# Allegro board rt1064_brkout_new_mem_layout.brd (continued)
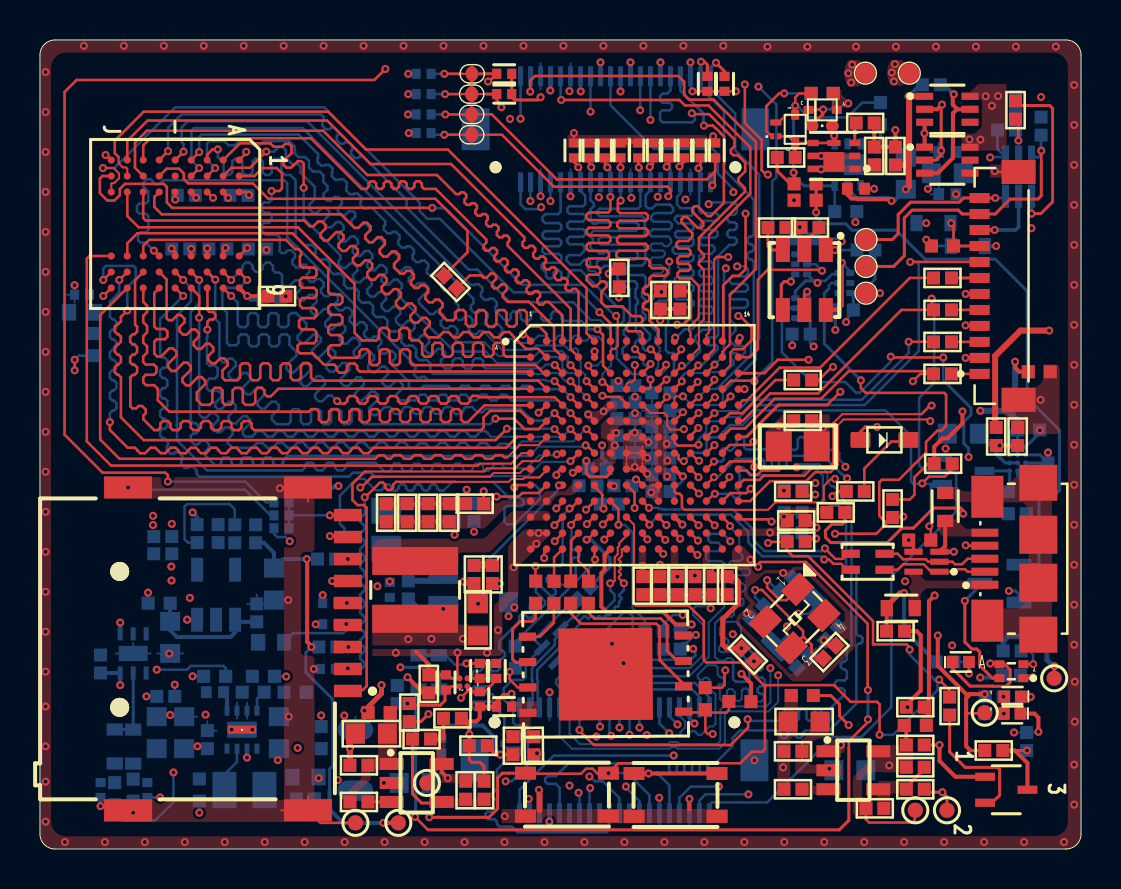
[diagram p0: board, top side]
## Routing (per net, layer and track width the routed paths; a pad name or vN(x,y) marks a point on that pad's centre or on a via; arc(x,y) is an arc through that point) (continued)
USB_OTG1_DP: length 12.2
  TOP w0.119: L6.3 40.46,14.66 40.33,14.66 40.18,14.51 39.8,14.51 v1(39.28,15.04) ; v1(30.48,17.07) 30.48,17.08 U7.L8
  BOTTOM w0.119: v1(30.48,17.07) 30.92,17.07 30.97,17.02 ; 31.11,17.02 31.14,16.99 31.24,16.99 31.26,16.98 31.74,16.98 31.75,16.99 31.77,16.99
  BOTTOM w0.131: v1(39.28,15.04) 39.25,15.04 39.12,14.9 36.25,14.9 35.72,15.43 35.72,15.53 35.7,15.55 35.7,15.98 34.69,16.99 31.77,16.99 ; 31.11,17.02 30.97,17.02
USB_OTG2_DN: length 11.7
  TOP w0.102: U7.N7 29.35,15.67 28.99,15.3 28.99,15.17 28.91,15.09 28.91,14.75 28.76,14.6 28.76,13.42 28.63,13.29 v1(28.53,13.29)
  BOTTOM w0.127: v1(28.53,13.29) 28.53,12.95 28.75,12.73 28.75,12.44 28.2,11.89 27.12,11.89 26.79,11.56 26.61,11.56 U20.1 26.05,10.77 25.77,10.49 25.77,10.21 24.62,9.06 24.62,8.51 24.62,8.47 24.65,8.37 24.65,7.25 24.5,7.09 J6.3
USB_OTG2_DP: length 11.7
  TOP w0.102: U7.P7 29.12,15.01 29.12,14.66 28.96,14.51 28.96,14.46 29.06,14.36 29.06,14.31 28.96,14.21 28.96,14.16 29.06,14.06 29.06,14.01 28.96,13.91 28.96,13.86 29.06,13.76 29.06,13.71 28.96,13.61 28.96,13.55 v1(29.22,13.29)
  BOTTOM w0.127: J6.5 25,7.09 24.91,7.18 24.91,8.41 24.88,8.51 24.88,8.96 26.02,10.1 26.02,10.39 26.27,10.64 26.4,10.64 26.97,11.21 26.97,11.38 27.22,11.64 27.31,11.64 27.41,11.54 27.46,11.54 27.56,11.64 27.7,11.64 27.8,11.54 27.85,11.54 27.95,11.64 28,11.64 28.1,11.54 28.15,11.54 28.25,11.64 28.3,11.64 28.37,11.7 28.51,11.7 28.54,11.74 28.54,11.88 28.58,11.91 28.72,11.91 28.76,11.95 28.76,12.09 28.79,12.13 28.93,12.13 28.97,12.16 28.97,12.3 29,12.34 29,12.4 29.1,12.5 29.1,12.55 29,12.65 29,12.73 29.22,12.95 v1(29.22,13.29)
USER_BUTTON: length 7.4
  TOP w0.127: v1(28.95,16.22) 28.95,17.01 U7.L6
  BOTTOM w0.102: 29.65,12.06 29.65,14.03
  BOTTOM w0.11: 29.65,14.03 29.65,15.83 29.27,16.22 v1(28.95,16.22)
  BOTTOM w0.127: R42.2 30.26,11.45 29.65,12.06
USER_LED: length 51
  TOP w0.102: D5.C 49.56,7.62 49.57,7.61 v1(49.58,7.61)
  TOP w0.127: U7.L5 v1(27.32,16.98)
  SIG1 w0.127: v1(27.32,16.98) 26.99,16.64 26.34,16.64 26.33,16.65 25.68,16.65 25.35,16.98 24.67,16.98 22.62,14.93 22.62,11.45 22.27,11.1 22.27,10.27 21.98,9.98 21.98,6.41 22.27,6.12 22.27,4.62 22.83,4.06 23.79,4.06 23.96,3.89 23.96,3.55 23.98,3.53 23.98,3.21 23.96,3.19 23.96,1.11 24.09,0.98 39.88,0.98 46.08,7.19
  SIG1 w0.15: 46.08,7.19 49.42,7.19 49.57,7.34 49.57,7.6 v1(49.58,7.61)
VLDO_3V3: length 4.6
  TOP w0.127: TP31.1 43.78,1.92 43.78,1.45 43.65,1.33 41.49,1.33 41.33,1.49 C33.1
  TOP w0.2: R2.1 43.25,6.05 43.35,5.95 C37.1
  vias: v1(42.5,4.18)
VSD_3V3: length 3.8
  TOP w0.127: C32.1 20.43,7.96 20.61,8.14 U5.A2
  TOP w0.15: C121.1 18.56,7.19 20.03,7.19 20.27,7.43 20.27,7.91
  TOP w0.2: 20.24,7.89 C32.1
  BOTTOM w0.15: FB3.1 v1(18.39,7.28)
WDOG_B: length 81.9
  TOP w0.127: U7.D14 v1(35.26,23.01) ; v1(36.43,33.74) 36.33,33.74 36.11,33.96 36.11,35.48 35.27,36.32 v1(35.27,38.25)
  SIG1 w0.127: v1(6.01,2.58) 6.01,2.57 5.48,2.57 3.04,5.01 3.04,11.82 7.46,16.24 8.77,16.24 13.37,20.84 20.99,20.84 21.6,21.46 21.6,38.78 21.76,38.94 34.58,38.94 v1(35.27,38.25) ; v1(35.26,23.01) 35.26,23.47 36.46,24.67 36.46,33.7 v1(36.43,33.74)
  BOTTOM w0.15: C20.1 v1(6.01,2.58)
N2518472: length 4.4
  TOP w0.127: R51.1 36.8,23.46 35.14,21.8 34.53,21.8 34.3,21.58 34.29,21.58 34.15,21.44 U7.F13
N2544325: length 5.4
  TOP w0.127: J2.2 46.42,13.87 46.3,14 45.78,14 45.66,13.87 U19.1 44.59,13.87 44.22,14.24 43.19,14.24 42.92,13.97 L6.1
N2544379: length 5.3
  TOP w0.127: L6.4 42.92,14.77 43.19,14.5 44.33,14.5 44.45,14.37 U19.2 45.66,14.37 45.78,14.25 46.14,14.25 46.42,14.52 J2.3
N2544429: length 4.6
  TOP w0.127: v1(46.32,15.19) 46.35,15.17 J2.4 ; v1(43.47,15.45) 43.47,15.33 43.71,15.09
  TOP w0.15: U19.4 43.71,15.09
  SIG1 w0.15: v1(46.32,15.19) 46.06,15.45 v1(43.47,15.45)
N2544493: length 4.5
  TOP w0.2: v1(48.02,20.19) C100.1
  BOTTOM w0.15: 47.9,19.72 U11.C1 ; 48.07,19.55 48.3,19.32 U11.B1 U11.B2
  BOTTOM w0.2: C99.1 47.6,20.19 v1(48.02,20.19) 47.87,20.03 47.87,19.75 48.07,19.55
N2544755: length 1.2
  BOTTOM w0.127: R83.2 49.36,18.27
  BOTTOM w0.15: U11.A2 48.93,18.7 49.36,18.27
N2544847: length 1.3
  BOTTOM w0.15: R86.1 49.83,18.42 U11.A3
N2544899: length 2.3
  BOTTOM w0.15: Q5.3 U11.A1 48.52,17.95 R85.2
N2574261: length 3.9
  TOP w0.127: D11.2 43.37,20.39 42.61,20.39 41.25,19.03 R41.1
N2574737: length 3.4
  TOP w0.15: 48.79,4.93 v1(49.39,4.93)
  TOP w0.2: U8.3 49.42,4.3 48.79,4.93 R45.2
N2574749: length 6.9
  TOP w0.15: U8.2 47.65,2.31 48.02,2.69 48.02,3.98 47.92,4.08 46.3,4.08 45.52,4.86 R44.1
N2575113: length 11.1
  TOP w0.127: R46.1 38.91,9.54 38.61,9.83 38.61,10.22 38.19,10.64 ; v1(35.79,12.96) 36.13,12.96 38.19,10.9 38.19,10.64 ; v1(32.9,14.71) 32.88,14.71 32.8,14.8 32.78,14.8 32.57,15.01 U7.P11 ; 38.19,10.64 X1.3
  SIG1 w0.127: v1(35.79,12.96) 35.35,12.96 33.6,14.72 33.19,14.72 33.19,14.71 v1(32.9,14.71)
  BOTTOM w0.127: v1(35.79,12.96) 35.79,12.59 C70.1
N2575185: length 8.1
  TOP w0.127: U7.N11 v1(32.93,15.43) ; X1.1 37.91,12.99 37.37,12.45 37.02,12.45 36.39,13.09 v1(36.39,13.45)
  SIG1 w0.127: v1(36.39,13.45) 35.82,13.45 34.25,15.03 33.35,15.03 33.22,15.15 33.2,15.15 v1(32.93,15.43)
  BOTTOM w0.127: v1(36.39,13.45) 36.93,12.91 C71.1
N2575229: length 11.5
  TOP w0.127: U7.N9 v1(31.29,15.47)
  SIG1 w0.127: v1(31.29,15.47) 31.57,15.19 31.59,15.19 32.63,14.14 33.02,14.14 34.61,12.56 37.12,12.56 37.9,11.78 v1(37.95,11.78)
  BOTTOM w0.127: v1(37.95,11.78) 37.97,11.76 38.46,11.76 X2.1 39.95,11.33 C72.1
N2575237: length 5.7
  TOP w0.09: v1(25.97,18.19) 25.99,18.21 U7.K3
  BOTTOM w0.127: v1(22.18,14.21) 25.9,17.94 25.9,18.12 v1(25.97,18.19)
N2575341: length 11
  TOP w0.127: U7.P9 v1(31.19,14.77)
  SIG1 w0.127: v1(31.19,14.77) 31.31,14.77 32.34,13.74 32.34,13.41 32.58,13.17 33.45,13.17 34.33,12.28 36.19,12.28 37.33,11.14 v1(37.38,11.14)
  BOTTOM w0.127: v1(37.38,11.14) 37.39,11.13 37.39,10.69 X2.2 37.88,9.09 C73.1
N2593436: length 0.2
  TOP w0.15: 24.42,6.81 24.19,6.81
N2594008: length 4.4
  TOP w0.127: U14.1 32.26,6.83 33.16,6.83 R101.2 ; v1(33.67,5.75) 33.42,5.75 33.3,5.88 R101.2 ; R101.2 33.44,6.82 34.35,6.82 34.47,6.95 R97.2
N2594176: length 2.6
  TOP w0.127: R100.1 25.72,11.32
  TOP w0.147: U14.5 25,10.63 25.03,10.66 25.04,10.66 25.72,11.32
N2594270: length 8.7
  TOP w0.127: 31.01,11.11 30.84,11.27 27.07,11.27 26.55,11.8 R102.1
  TOP w0.147: U14.2 32.21,8.25 31.01,9.45 31.01,11.11
N2594358: length 7
  TOP w0.127: R103.1 27.44,11.83 27.73,11.53 31.06,11.53 31.38,11.21
  TOP w0.147: U14.3 31.88,9.41 31.38,9.92 31.38,11.21
N2594498: length 1.9
  TOP w0.127: U14.7 23.91,8.08 23.5,8.48 v1(23.5,8.86)
  BOTTOM w0.127: R104.1 23.79,8.94 23.69,8.83 23.53,8.83 v1(23.5,8.86)
N2594540: length 4.4
  TOP w0.127: R105.2 24.8,11.55 24.79,11.55
  TOP w0.147: U14.6 23.8,9.35 23.65,9.49 23.65,11.01 24.03,11.39 24.64,11.39 24.79,11.55
N2840328: length 1.2
  TOP w0.127: v1(49.69,8.59) 49.64,8.54 D2.1
  BOTTOM w0.127: R3.2 49.58,8.69 v1(49.69,8.59)
N2840332: length 1.6
  TOP w0.127: v1(49.7,9.25) 49.22,9.25 D2.3
  BOTTOM w0.127: R4.2 49.5,9.91 49.7,9.71 v1(49.7,9.25)
N2840672: length 4.2
  TOP w0.127: Q3.1 36.6,35.66 36.35,35.91 36.35,37.16 36.99,37.8 v1(37.24,37.8)
  BOTTOM w0.127: R6.2 v1(37.24,37.8)
N2840714: length 1.1
  BOTTOM w0.15: R10.2 C8.2
N2840896: length 29.9
  TOP w0.15: v1(38.84,31.85) R13.1 R12.2
  BOTTOM w0.15: Q4.1 50,14.23 50,17.49 50.24,17.73 50.81,17.73 51.02,17.94 51.02,20.95 49.4,22.56 49.4,27.91 47.8,29.51 44.29,29.51 42.84,30.96 40.64,30.96 40.32,31.28 39.19,31.28 38.84,31.62 v1(38.84,31.85)
N2841110:
  vias: v1(48.21,7.62)
N2841268: length 4.2
  SIG1 w0.127: v1(7.64,8.64) 7.64,5.39 v1(7.88,5.14)
  BOTTOM w0.127: R18.1 v1(7.64,8.64)
N2841304: length 2.3
  BOTTOM w0.127: U1.7 9.86,4.35 9.23,3.72 L1.1
N2841570: length 9.4
  SIG1 w0.127: v1(4.01,11.33) 4.05,11.29 4.62,11.29 4.88,11.02 4.88,9.3 5.21,8.97 v1(5.84,8.97)
  BOTTOM w0.127: R18.2 9.29,9.05 9.18,9.16 7.55,9.16 7.37,8.97 v1(5.84,8.97)
  BOTTOM w0.2: C16.1 9.36,7.67 U1.1 ; U2.1 v1(4.01,11.33)
N2841578: length 1.1
  BOTTOM w0.127: R22.1 11.19,7.85 10.86,7.51 U1.4
N2842438: length 1.2
  TOP w0.127: 16.41,2.36 U3.3
N2842520: length 4.4
  TOP w0.15: U3.4 20.05,2.3 19.1,2.3 18.64,2.75 C21.2
N2842740: length 6.6
  BOTTOM w0.2: 6.52,12.3 C27.1 6.52,10.94 6.84,10.61 9.55,10.61 9.76,10.83 U4.1 9.87,11.36 C28.1
N2842860: length 5.8
  BOTTOM w0.127: C26.2 9.75,17 9.49,17.26 7.36,17.26 7.23,17.13 7.23,15.5 7.4,15.33 R33.1
N2843292: length 3.4
  SIG1 w0.127: v1(40.07,5.21) 40.07,5.14 39.01,4.08 v1(37.19,4.08)
N2843470: length 1.5
  TOP w0.147: R38.2 44.25,4 43.35,3.1 R39.1
N2892984: length 0.6
  TOP w0.127: U5.B1 R35.2
N2893068: length 4.1
  TOP w0.127: R34.2 R35.1 v1(21.34,9.29)
  BOTTOM w0.127: D10.A 20.3,9.69 20.77,9.22 21.27,9.22 v1(21.34,9.29)
  BOTTOM w0.2: D10.A D9.A
N2897276: length 6.6
  TOP w0.2: 45.91,37.01 45.68,37.24 45.68,37.71 v1(45.72,37.76) ; 45.91,37.01 U17.5 ; 45.91,37.01 45.89,37.01 45.69,36.81 45.69,34.57 44.92,33.81 U18.3
  BOTTOM w0.2: R114.2 45.25,38.23 v1(45.72,37.76)
N2913252: length 1.9
  TOP w0.102: JMP1.2 20.9,35.73
  TOP w0.131: 20.9,35.73 v1(20.23,35.73)
  BOTTOM w0.127: v1(20.23,35.73) 19.65,35.73 R56.2
N2913256: length 1.9
  TOP w0.131: v1(20.28,36.75) JMP1.4
  BOTTOM w0.127: R57.2 v1(20.28,36.75)
N2913260: length 1.9
  TOP w0.102: JMP1.6 21.07,37.77
  TOP w0.131: 21.07,37.77 v1(20.27,37.77)
  BOTTOM w0.127: R58.2 v1(20.27,37.77)
N2913264: length 1.9
  TOP w0.102: JMP1.8 21.09,38.78
  TOP w0.131: 21.09,38.78 v1(20.23,38.78)
  BOTTOM w0.127: R59.2 v1(20.23,38.78)
N3026246: length 4.2
  TOP w0.127: J1.9 14.58,16.71 14.57,16.69 v1(14.51,16.69)
  BOTTOM w0.127: R78.1 R80.1 ; R80.1 R77.2 ; R80.1 v1(14.51,16.69)
N3028636: length 10.1
  TOP w0.2: C97.1 19.18,7.81 v1(18.39,8.59) ; J1.4 15.36,11.26 v1(15.33,11.26)
  POWER w0.2: 15.33,11.04 v1(15.33,11.26)
  POWER w0.25: 15.33,11.04 17.73,8.64 18.35,8.64 v1(18.39,8.59)
  BOTTOM w0.127: C95.1 12.67,10.8 15.17,10.8 15.33,10.96 v1(15.33,11.26)
  BOTTOM w0.15: FB3.2 17.91,8.18 18.33,8.59 v1(18.39,8.59)
N3028892: length 0.5
  BOTTOM w0.15: R79.2 v1(15.36,12.31)
N3035991: length 6.1
  TOP w0.15: v1(46.28,12.41) 46.28,10.36 46.63,10.01 46.88,10.01 47.03,9.86 47.03,9.18 47.67,8.54 D2.2
  BOTTOM w0.16: v1(46.28,12.41) 47.03,13.16 Q4.3
N3059217: length 2.3
  TOP w0.15: D15.6 37.09,27.04 37.09,28.24 37.24,28.39 v1(37.58,28.39)
  BOTTOM w0.15: v1(37.58,28.39) 37.58,28.53 U23.4
N3059221: length 1.3
  TOP w0.15: D15.4 38.25,27.74 v1(38.39,27.88)
  BOTTOM w0.127: U22.4 v1(38.39,27.88)
N3059225: length 3.7
  TOP w0.15: 39.33,26.97 D15.2
  TOP w0.2: v1(40.12,29.33) 40.12,27.19 39.91,26.97 39.33,26.97
  BOTTOM w0.127: v1(40.12,29.33) 40.55,28.9 U21.4
N3059229: length 1.6
  TOP w0.127: v1(39.78,29.96) D15.1
  BOTTOM w0.127: R116.2 v1(39.78,29.96)
N3059233: length 1.4
  TOP w0.15: D15.3 38.25,30.32 38.98,31.05 R117.1
N3059237: length 1.7
  TOP w0.15: R118.1 36.43,30.18 36.65,29.96 D15.5
N28147150: length 1.8
  TOP w0.2: v1(44.35,30.48) 44.61,30.22 R106.1
  BOTTOM w0.131: v1(44.35,30.48) 44.67,30.17 D12.C
N28398882: length 1.1
  TOP w0.15: 40.66,35.32 Q1.3 40.77,36.25 R8.1
N28418741:
  vias: v1(48.24,6.77)
N30039441: length 1.8
  TOP w0.131: D14.A v1(46.49,8.78)
  BOTTOM w0.131: R115.2 46.3,9.36 46.49,9.17 v1(46.49,8.78)

## Copper pours and planes (outline as drawn; the poured copper is in the pictures)
3V3_REG on BOTTOM: 9.53,15.65 10.13,15.65 10.13,15.64 11.41,15.64 11.41,15 10.33,15 10.19,14.94 10.13,14.8 10.13,13.86 10.12,13.86 10.12,13.15 10.06,13 9.92,12.95 6.9,12.95 6.46,12.94 6.32,13 6.26,13.14 6.26,14.38 6.28,14.38 6.28,14.58 6.27,14.58 6.27,15.11 6.93,15.11 6.93,14.58 6.9,14.58 6.9,14.38 6.9,13.47 6.96,13.32 7.1,13.27 9.33,13.27 9.47,13.32 9.53,13.47 9.53,14.07 9.53,14.07 9.53,14.8 9.47,14.94 9.33,15 8.88,15 8.88,15.64 9.53,15.64
5V_EXT on BOTTOM: 40.9,35.57 41.23,35.57 41.23,34.45 42.31,34.45 42.31,34.01 41.23,34.01 41.23,32.93 40.9,32.93 40.9,33.94 40.84,34.01 40.6,34.01 40.58,34 40.58,32.91 40.26,32.91 40.26,35.55 40.58,35.55 40.58,34.48 40.61,34.45 40.82,34.45 40.9,34.53
5V_SYS on BOTTOM: 46.33,35.74 46.4,35.78 46.47,35.8 47.15,35.8 47.29,35.74 47.35,35.6 47.35,35.44 47.33,35.36 47.29,35.3 46.73,34.74 46.7,34.72 46.67,34.7 46.67,33.31 46.35,33.31 46.17,33.13 46.12,33.06 46.11,32.98 46.11,32.48 46.1,32.47 45.56,32.47 45.56,33.06 45.58,33.14 45.62,33.2 45.68,33.26 45.72,33.32 45.73,33.4 45.73,34.22 45.72,34.3 45.68,34.36 45.62,34.42 45.58,34.48 45.57,34.55 45.57,34.68 45.57,34.69 45.57,35.17 45.76,35.17
5V_SYS on BOTTOM: 14.7,3.51 14.74,3.62 14.85,3.66 16.46,3.66 16.57,3.62 16.61,3.51 16.61,2.86 16.57,2.75 16.46,2.71 15.44,2.71 15.3,2.74 15.19,2.82 14.81,3.19 14.73,3.31 14.7,3.45
GND_SIGNAL on TOP: 44.9,16.5 45.74,16.5 45.83,16.49 45.91,16.43 46.25,16.09 46.33,16.04 46.42,16.02 47.84,16.02 47.92,15.94 47.92,15.61 47.87,15.61 47.84,15.64 45.28,15.64 45.18,15.66 45.1,15.71 44.97,15.85 44.91,15.93 44.9,16.02
GND_SIGNAL on TOP: 12.21,18.61 13.74,18.61 13.74,18.6 14.58,18.6 14.58,17.53 13.74,17.53 13.74,15.06 13.68,14.92 13.54,14.86 13.27,14.86 13.13,14.8 13.07,14.66 13.07,9.87 13.13,9.73 13.27,9.67 13.54,9.67 13.68,9.61 13.74,9.47 13.74,2.52 14.63,2.52 14.63,1.35 3.2,1.35 3.2,2.46 12.21,2.46 12.21,17.53 3.2,17.53 3.2,18.6 12.21,18.6
GND_SIGNAL on TOP: 21.4,13.61 22.05,13.61 22.05,12.78 22.41,12.78 22.41,11.79 21.45,11.79 21.4,11.8
GND_SIGNAL on TOP: 38.29,21.75 39.52,21.75 39.53,21.74 39.53,19.89 39.52,19.88 38.33,19.88 38.29,19.92
GND_SIGNAL on TOP: 37.95,16.37 37.98,16.44 38.05,16.47 38.89,16.47 38.96,16.44 38.99,16.37 38.99,16.21 38.96,16.14 38.89,16.11 38.05,16.11 37.98,16.14 37.95,16.21
GND_SIGNAL on TOP: 0.03,39.72 0.24,40.23 0.75,40.44 51.35,40.44 51.86,40.23 52.07,39.72 52.07,0.75 51.86,0.24 51.35,0.03 0.75,0.03 0.24,0.24 0.03,0.75 ; 1 cut-out
GND_SIGNAL on TOP: 26.66,35.82 26.72,35.88 26.78,35.82 26.78,35.72 32.7,35.72 32.71,35.72 33.31,35.72 33.48,35.56 34.03,35.56 34.03,35.11 33.31,35.11 33.31,35.09 26.39,35.09 26.39,35.72 26.66,35.72
GND_SIGNAL on TOP: 24.89,2.05 24.94,2.08 25,2.1 25.08,2.07 25.14,2 32.39,2 32.43,2.05 32.49,2.07 32.53,2.07 32.56,2.04 32.6,2 34.42,2 34.42,1.3 23.11,1.3 23.11,2 24.84,2
GND_SIGNAL on TOP: 35.02,15.17 35.14,15.15 35.24,15.09 35.58,14.74 35.64,14.65 35.67,14.53 35.67,14.27 35.63,14.19 35.62,14.1 35.71,13.88 35.93,13.79 36.09,13.84 36.21,13.96 37.54,13.96 37.65,14.07 37.7,14.11 37.76,14.12 38.25,14.12 38.3,14.11 38.34,14.09 38.35,14.08 38.83,13.61 38.82,13.6 40.76,11.66 40.83,11.57 40.85,11.45 40.85,10.3 40.83,10.19 40.76,10.09 40.73,10.06 40.7,10 40.65,9.94 40.42,9.72 39.66,8.95 39.66,8.95 39.28,8.58 39.27,8.57 39.18,8.47 39.08,8.41 38.97,8.39 37.77,8.39 37.66,8.41 37.56,8.47 37.51,8.52 37.5,8.54 37.09,8.95 34.92,11.12 34.86,11.2 34.84,11.29 34.84,11.49 34.86,11.58 34.92,11.66 35.48,12.23 35.49,12.23 35.52,12.3 35.49,12.38 35.46,12.39 35.3,12.56 35.28,12.59 35.23,12.7 35.22,12.79 35.22,12.89 35.23,12.95 35.27,13.01 35.27,13.52 35.25,13.64 35.18,13.73 34.71,14.2 34.65,14.3 34.63,14.41 34.63,14.82 34.65,14.94 34.71,15.04 34.85,15.17 ; 2 cut-outs
GND_SIGNAL on TOP: 50.22,24.24 50.83,24.24 50.97,24.18 51.03,24.04 51.03,20.96 50.97,20.82 50.83,20.76 48.62,20.76 48.62,21.16 48.58,21.34 48.48,21.5 48.25,21.72 48.15,21.88 48.11,22.07 48.11,23.09 49.68,23.09 49.86,23.13 50.02,23.23 50.06,23.28 50.17,23.43 50.2,23.62 50.2,24.22
GND_SIGNAL on TOP: 29.83,13.06 34.7,13.06 34.7,12.41 29.83,12.41
GND_SIGNAL on TOP: 47.53,34.24 47.53,33.58 49.82,33.58 49.82,34.24
GND_SIGNAL on TOP: 17.01,16.96 17.01,17.62 21.63,17.62 21.63,16.96
GND_SIGNAL on TOP: 24.51,16.01 25.38,16.01 25.49,15.97 25.53,15.86 25.51,15.71 25.46,15.65 25.44,15.63 24.82,15.01 24.81,15 24,14.2 23.96,14.13 23.94,14.05 23.94,12.76 23.93,12.68 23.88,12.62 23.2,11.93 23.16,11.87 23.14,11.79 23.14,9.85 23.08,9.71 22.94,9.65 16.64,9.65 16.64,10 22.72,10 22.72,12.13 22.73,12.18 22.76,12.23 23.36,12.83 23.4,12.9 23.42,12.97 23.42,14.98 23.46,15.16 23.56,15.32 24.12,15.88 24.26,15.97 24.44,16.01
GND_SIGNAL on TOP: 38.59,6.64 38.65,6.78 38.79,6.84 39.32,6.84 39.47,6.78 39.52,6.64 39.52,6.07 39.49,5.9 39.39,5.75 39.24,5.6 39.16,5.55 39.07,5.53 39.06,5.53 38.87,5.49 38.71,5.39 38.6,5.28 38.5,5.12 38.46,4.94 38.46,4.41 38.52,4.27 38.66,4.21 40.06,4.21 40.06,3.78 37.81,3.78 37.81,3.81 37.8,3.81 37.8,5.1 37.8,5.1 37.8,5.22 37.89,5.22 38.45,5.78 38.56,5.93 38.59,6.12
GND_SIGNAL on BOTTOM: 10.08,33.04 10.75,33.04 10.75,30.79 9.68,30.79 9.68,29.71 9.02,29.71 9.02,30.79 7.83,30.79 7.83,29.71 7.18,29.71 7.18,31.29 7.83,31.29 7.83,31.29 10.08,31.29
GND_SIGNAL on BOTTOM: 28.02,19.35 28.66,19.35 28.66,18.5 29.05,18.5 29.05,17.84 29.03,17.84 29.28,17.6 29.28,16.93 29.27,16.92 28.62,16.92 28.63,16.93 28.63,17.56 28.35,17.84 27.55,17.84 27.55,18.5 28.02,18.5
GND_SIGNAL on BOTTOM: 20.56,9.91 20.59,9.99 20.66,10.01 22.61,10.01 22.68,9.99 22.7,9.91 22.7,9.76 22.68,9.69 22.61,9.66 20.66,9.66 20.59,9.69 20.56,9.76
GND_SIGNAL on BOTTOM: 42.83,35.31 42.89,35.45 43.03,35.51 44.84,35.51 44.91,35.49 44.98,35.45 45.21,35.22 45.24,35.17 45.25,35.11 45.25,34.55 45.24,34.47 45.19,34.4 45.12,34.33 45.07,34.26 45.06,34.19 45.06,33.4 45.07,33.33 45.12,33.26 45.17,33.21 45.22,33.14 45.23,33.07 45.23,32.48 45.21,32.46 44.7,32.46 44.21,32.95 44.17,33.02 44.15,33.09 44.15,34.03 44.14,34.11 44.1,34.17 44.01,34.25 43.95,34.3 43.87,34.31 42.83,34.31
GND_SIGNAL on BOTTOM: 37.81,17.18 38.46,17.18 38.46,16.26 39.03,16.26 39.1,16.23 39.13,16.16 39.13,16 39.1,15.93 39.03,15.9 38.46,15.9 38.46,15.51 37.81,15.51
GND_SIGNAL on BOTTOM: 14.97,6.76 15.01,6.87 15.12,6.91 15.72,6.91 15.82,6.87 15.87,6.76 15.87,4.96 15.82,4.85 15.72,4.81 15.12,4.81 15.01,4.85 14.97,4.96
GND_SIGNAL on BOTTOM: 1.1,28.26 1.14,28.36 1.25,28.41 1.82,28.41 1.93,28.36 1.97,28.26 1.97,26.59 1.93,26.49 1.82,26.44 1.25,26.44 1.14,26.49 1.1,26.59
GND_SIGNAL on BOTTOM: 26.31,3.27 26.33,3.34 26.4,3.37 26.61,3.37 26.68,3.34 26.71,3.27 26.71,3.08 26.7,3.04 26.68,3.01 26.64,2.97 26.62,2.93 26.61,2.9 26.61,1.29 26.67,1.22 26.75,1.17 26.84,1.15 27.62,1.15 27.71,1.17 27.79,1.22 27.87,1.31 27.87,2.02 27.88,2.02 28.12,2.02 28.12,1.27 27.92,1.07 27.85,1.02 27.75,1 26.73,1 26.64,1.02 26.56,1.07 26.37,1.26 26.37,2.88 26.37,2.92 26.34,2.95 26.33,2.96 26.31,3 26.31,3.03
GND_SIGNAL on BOTTOM: 9.25,15.92 9.25,16.52 7.54,16.52 7.54,15.92
GND_SIGNAL on BOTTOM: 24.52,16.02 25.39,16.02 25.5,15.97 25.54,15.87 25.54,15.79 25.52,15.71 25.47,15.66 25.45,15.64 24.82,15.02 24.82,15.01 24.09,14.28 23.99,14.13 23.95,13.94 23.95,13.18 23.92,13.11 23.85,13.08 23.62,13.08 23.48,13.13 23.42,13.28 23.42,14.76 23.43,14.76 23.43,14.98 23.46,15.17 23.57,15.33 24.12,15.88 24.27,15.98 24.45,16.01
GND_SIGNAL on BOTTOM: 4.54,11.1 4.8,11.1 4.8,10.03 10.33,10.03 10.55,10.26 10.55,10.77 11.27,10.77 11.27,9.59 11.26,9.59 11.26,9.58 4.8,9.58 4.8,9.42 4.54,9.42 4.54,9.58 2.7,9.58 2.7,10.03 4.54,10.03
GND_SIGNAL on BOTTOM: 19.42,14.55 20.94,14.55 20.94,14.09 21.02,13.88 21.24,13.79 21.85,13.79 21.99,13.73 22.05,13.59 22.05,13.47 21.99,13.33 21.85,13.27 19.42,13.27
GND_SIGNAL on BOTTOM: 30.84,2.57 30.88,2.68 30.99,2.72 31,2.72 31.11,2.68 31.15,2.57 31.15,1.38 31.21,1.24 31.35,1.18 32.12,1.18 32.27,1.24 32.32,1.38 32.32,2.42 32.37,2.53 32.47,2.57 32.55,2.57 32.66,2.53 32.7,2.42 32.7,1.1 32.64,0.96 32.5,0.9 29.56,0.9 29.42,0.96 29.36,1.1 29.36,2.08 29.39,2.15 29.46,2.18 29.53,2.18 29.6,2.15 29.63,2.08 29.63,1.38 29.69,1.24 29.83,1.18 30.64,1.18 30.78,1.24 30.84,1.38
GND_SIGNAL on BOTTOM: 26.66,9.92 26.72,9.85 26.73,9.86 26.75,9.86 26.8,9.85 26.82,9.8 26.81,9.78 26.81,9.77 26.9,9.68 26.79,9.57 26.79,9.57 25.67,8.45 25.67,7.18 25.67,5.62 25.68,5.58 25.7,5.54 26.12,5.13 26.15,5.06 26.12,4.99 26.02,4.89 25.95,4.86 25.88,4.89 25.37,5.39 25.35,5.43 25.34,5.46 25.34,8.56 25.35,8.6 25.37,8.63
GND_SIGNAL on BOTTOM: 30.14,23.51 30.14,23.24 30.2,23.1 30.34,23.04 30.75,23.04 30.89,22.98 30.95,22.84 30.95,17.59 30.53,17.59 30.53,18.74 30.45,18.92 30.28,18.99 29.94,18.99 29.76,19.06 29.69,19.24 29.69,20.98 29.69,20.98 29.46,21.21 29.45,21.21 29.45,23.51
GND_SIGNAL on BOTTOM: outline of 178 points within 21.09,32.27 32.83,39.61
GND_SIGNAL on BOTTOM: 48.47,6.02 48.52,6.12 48.62,6.17 50.18,6.17 50.28,6.12 50.32,6.02 50.32,5.64 50.28,5.54 50.18,5.49 48.62,5.49 48.52,5.54 48.47,5.64
GND_SIGNAL on BOTTOM: 50.07,37.82 50.21,37.76 50.27,37.62 50.27,36.53 49.96,36.53 49.96,37.3 49.9,37.44 49.76,37.5 48.65,37.5 48.65,37.82
GND_SIGNAL on BOTTOM: 9.87,8.07 10.36,8.07 10.36,7.66 10.39,7.63 10.45,7.63 10.45,7.24 10.44,7.24 10.45,7.17 10.45,6.97 10.46,6.95 10.46,6.92 10.46,6.26 10.45,6.25 10.45,6.16 10.76,6.16 10.76,5.58 9.63,5.58 9.63,5.59 8.55,5.59 8.55,5.55 8.01,5.55 8.01,6.17 7.2,6.17 5.34,6.17 5.34,7.12 7.56,7.12 7.56,7.12 8.01,7.12 8.01,7.96 8.23,7.96 8.26,7.97 8.3,7.96 8.55,7.96 8.55,6.16 9.63,6.16 9.63,6.16 9.69,6.16 9.69,6.62 9.66,6.62 9.66,7.63 9.8,7.63 9.8,7.65 9.87,7.72 ; 1 cut-out
GND_SIGNAL on BOTTOM: 29.83,13.06 34.02,13.06 34.02,12.4 29.83,12.4
GND_SIGNAL on BOTTOM: 24.83,3 24.86,3.07 24.93,3.1 25.07,3.1 25.14,3.07 25.17,3 25.17,1.13 25.14,1.06 25.07,1.03 24.93,1.03 24.86,1.06 24.83,1.13
GND_SIGNAL on BOTTOM: 7.23,12.81 10.61,12.81 11.99,12.8 11.99,12.79 11.99,12.17 11.94,12.03 11.79,11.97 10.41,11.97 10.28,12.1 10.28,12.12 10.22,12.26 10.08,12.32 9.31,12.32 9.16,12.26 9.11,12.12 9.11,10.94 8.52,10.94 8.52,12.11 8.46,12.25 8.32,12.31 7.23,12.31
GND_SIGNAL on BOTTOM: outline of 83 points within 35.46,8.32 40.4,13.89
GND_SIGNAL on BOTTOM, SIG1, POWER: 0.03,39.72 0.24,40.23 0.75,40.44 51.34,40.44 51.85,40.23 52.06,39.72 52.06,0.75 51.85,0.24 51.34,0.03 0.75,0.03 0.24,0.24 0.03,0.75 ; 1 cut-out
GND_SIGNAL on GND1: 1.85,40.44 1.9,40.45 1.94,40.45 51.32,40.45 51.85,40.23 52.07,39.7 52.07,38.52 52.07,38.48 52.07,0.77 51.85,0.24 51.32,0.02 25.57,0.02 25.57,0.02 1.94,0.02 1.84,0.03 1.73,0.05 0.87,0.05 0.81,0.05 0.76,0.05 0.61,0.08 0.47,0.14 0.42,0.16 0.38,0.19 0.26,0.28 0.18,0.4 0.12,0.49 0.08,0.58 0.07,0.66 0.06,0.75 0.06,1.86 0.05,1.92 0.05,1.99 0.05,39.69 0.05,39.74 0.05,39.78 0.08,39.94 0.15,40.08 0.43,40.35 0.8,40.44
VCC_EMC on TOP: 28.32,22.29 28.37,22.4 28.47,22.44 28.74,22.44 28.85,22.4 28.89,22.29 28.89,22.04 28.85,21.93 28.74,21.89 28.64,21.89 28.51,21.87 28.41,21.81 27.91,21.31 27.89,21.29 27.73,21.23 27.59,21.31 27.58,21.31 27.24,21.65 27.24,21.88 27.29,21.94 27.99,21.94 28.32,22.27
VCC_EMC on POWER: 26.43,27.75 26.47,27.87 26.59,27.91 29.16,27.91 29.3,27.86 29.36,27.71 29.36,21.63 29.24,21.35 28.96,21.23 28.8,21.23 28.62,21.19 28.46,21.09 28.39,21.02 28.23,20.92 28.05,20.88 27.87,20.92 27.71,21.02 26.43,22.3
VDD_SNVS_3V3 on POWER: 41.1,21.64 41.18,21.69 41.27,21.71 42,21.71 42.09,21.69 42.17,21.64 42.74,21.07 42.79,20.99 42.81,20.9 42.81,17.03 42.83,16.93 42.88,16.86 43.18,16.56 43.26,16.5 43.35,16.49 44.71,16.49 44.8,16.47 44.88,16.42 44.91,16.38 44.96,16.3 44.98,16.21 44.98,12.6 44.96,12.51 44.91,12.43 44.81,12.33 44.74,12.28 44.64,12.26 44.45,12.26 44.36,12.28 44.28,12.33 43.99,12.62 43.94,12.7 43.92,12.79 43.92,13.55 43.9,13.65 43.85,13.73 41.8,15.78 41.69,15.94 41.66,16.12 41.66,19.14 41.64,19.23 41.59,19.31 40.88,20.02 40.83,20.09 40.81,20.19 40.81,21.25 40.83,21.34 40.88,21.42
VDD_SNVS_CAP on BOTTOM: 32.06,16.35 32.15,16.38 32.23,16.35 32.35,16.35 32.68,16.03 32.68,14.6 33.11,14.17 33.11,13.33 33.08,13.3 32.46,13.3 32.46,13.31 32.46,13.95 31.82,14.59 31.82,16.23 31.94,16.35
VDD_SNVS_IN on POWER: 37.19,17.91 40.38,17.91 40.55,17.84 40.62,17.66 40.62,13.16 40.55,12.98 40.38,12.91 35.39,12.91 35.38,12.9 34.99,12.9 34.8,12.86 34.65,12.76 34.53,12.65 34.43,12.49 34.39,12.31 34.39,11.26 34.36,11.07 34.25,10.91 33.27,9.94 33.11,9.83 32.93,9.79 32.51,9.79 32.37,9.85 32.31,9.99 32.31,10.14 32.31,10.14 32.31,11.2 32.5,11.4 32.5,12.23 32.45,12.37 32.3,12.43 31.3,12.43 30.83,12.63 30.63,13.1 30.63,13.61 30.6,13.79 30.49,13.95 30.16,14.28 30.05,14.44 30.02,14.62 30.02,15.66 30.05,15.85 30.16,16.01 30.44,16.29 30.52,16.34 30.62,16.36 35.64,16.36
VDD_SOC_IN on TOP: 37.17,21.75 38.03,21.75 38.03,21.12 37.84,21.12 37.6,20.88 37.62,20.86 37.62,20.02 37.38,19.77 36.32,19.77 36.32,20.89
VDD_SOC_IN on TOP: 28.36,21.53 28.48,21.61 28.61,21.64 30.94,21.64 31.09,21.58 31.14,21.44 31.14,21.3 31.2,21.24 31.24,21.06 31.36,20.93 31.36,20.36 31.41,20.31 31.42,20.29 31.43,20.27 31.41,20.22 31.36,20.2 31.36,19.55 31.44,19.47 31.46,19.45 31.46,19.43 31.44,19.38 31.4,19.36 31.38,19.37 31.36,19.37 31.36,18.88 31.32,18.78 31.23,18.73 31.21,18.71 31.19,18.71 31.16,18.71 31.14,18.72 31.06,18.72 30.81,18.83 30.71,19.07 30.71,20.95 30.65,21.11 30.48,21.18 29.11,21.18 29.05,21.17 29,21.14 28.83,20.97 28.94,20.85 28.83,20.74 28.81,20.74 28.81,20.26 28.83,20.23 28.84,20.19 28.84,20.17 28.82,20.14 28.81,20.13 28.81,19.78 28.81,19.77 28.81,19.37 28.76,19.26 28.65,19.22 28.18,19.22 28.08,19.17 28.03,19.07 28.03,18.99 27.99,18.89 27.88,18.84 27.69,18.84 27.58,18.89 27.54,18.99 27.54,19.42 27.59,19.42 28.18,20.01 28.18,20.05 28.4,20.05 28.4,20.35 28.24,20.51 28.12,20.51 28.08,20.52 28.07,20.56 28.07,21.09 28.1,21.23 28.18,21.35
VDD_SOC_IN on BOTTOM: 20.97,18.17 21.24,18.17 21.43,18.13 21.58,18.03 22.03,17.58 22.03,16.99 22,16.96 20.41,16.96 20.41,17.41 20.44,17.59 20.55,17.75 20.79,17.99 20.82,18.06 20.89,18.09
VDD_SOC_IN on BOTTOM: 31.2,21.45 31.2,18.41 31.85,18.41 31.85,21.45
VDD_SOC_IN on BOTTOM: 36.79,21.6 36.83,21.71 36.94,21.75 37.88,21.75 37.99,21.71 38.03,21.6 38.03,21.12 37.99,21.02 37.88,20.97 36.94,20.97 36.83,21.02 36.79,21.12
VDD_SOC_IN on POWER: outline of 90 points within 12.01,15.99 40.69,25.89
VDD_USB_3V on POWER: 29.61,18.63 29.69,18.68 29.78,18.7 29.89,18.7 29.99,18.68 30.07,18.63 30.09,18.6 30.15,18.52 30.17,18.43 30.17,18.23 30.15,18.14 30.09,18.06 29.46,17.42 29.38,17.37 29.29,17.35 28.04,17.35 27.96,17.32 27.93,17.25 27.93,14.61 27.9,14.47 27.83,14.36 24.8,11.33 24.72,11.28 24.63,11.26 23.42,11.26 23.19,11.32 23.01,11.48 23.01,12.32 23.03,12.42 23.08,12.5 23.32,12.73 23.4,12.78 23.49,12.8 24.1,12.8 24.28,12.84 24.44,12.94 26.11,14.61 26.21,14.77 26.25,14.95 26.25,16.36 26.27,16.45 26.32,16.53 27.39,17.6 27.55,17.7 27.73,17.74 27.93,17.74 28.72,17.74
VDDA_ADC_3V3 on TOP: 37.28,17.07 39.67,17.07 39.67,16.69 38.71,16.69 38.71,16.88 37.84,16.88 37.84,16.69 37.75,16.64 37.71,16.54 37.71,16.06 37.67,15.95 37.56,15.91 37.55,15.91 36.98,15.91 36.94,15.89 36.93,15.86 36.93,15.66 36.57,15.66 36.54,15.65 36.52,15.66 34.91,15.66 34.8,15.7 34.76,15.81 34.76,15.88 34.8,15.99 34.91,16.03 36.4,16.03 36.45,16.04 36.49,16.07 36.54,16.12 36.58,16.14 36.62,16.15 36.92,16.15 37.03,16.2 37.07,16.3 37.07,16.69 37.07,16.71 37.1,16.85 37.18,16.97
DC_5V_IN on TOP: 39.2,34.87 40.25,34.87 40.25,34.84 41.05,34.84 41.05,34.5 40.25,34.5 40.25,34.2 41.17,34.2 41.17,34.21 41.41,34.21 41.41,34.55 42.07,34.55 42.07,33.86 42.07,33.85 38.41,33.85 38.41,34.2 39.2,34.2 39.2,34.5 38.4,34.5 38.4,34.84 39.2,34.84
DC_5V_IN on POWER: 42.21,39.26 42.3,39.47 42.51,39.56 45.04,39.56 45.25,39.47 45.34,39.26 45.34,34.46 45.42,34.25 45.64,34.16 48.93,34.16 49.07,34.1 49.13,33.96 49.13,8.19 49.11,8.09 49.05,8.01 45.04,3.99 44.95,3.94 44.86,3.92 27.27,3.89 27.07,3.97 26.99,4.17 26.99,6.52 26.99,6.55 27.02,6.62 27.09,6.65 42.7,6.65 42.8,6.67 42.88,6.72 47.3,11.14 47.3,31.38 47.24,31.53 47.1,31.58 38.18,31.58 37.9,31.7 37.78,31.98 37.78,36.17 37.87,36.39 38.08,36.47 41.91,36.47 42.12,36.56 42.21,36.77
DCDC_3V3 on BOTTOM: 12.95,8.17 13.65,8.17 13.65,7.56 13.59,7.56 13.59,5.35 14.38,5.35 14.38,4.71 12.43,4.71 12.43,4.03 12.98,4.03 12.98,2.83 13.16,2.83 13.16,2.17 10.74,2.17 10.74,3.65 11.43,3.65 11.43,4.96 10.86,4.96 10.8,5.02 10.86,5.08 11.43,5.08 11.43,5.52 12.43,5.52 12.43,5.35 12.99,5.35 12.99,7.56 12.95,7.56
DCDC_3V3 on BOTTOM: 46.96,7.81 47,7.91 47.11,7.96 47.46,7.96 47.57,7.91 47.61,7.81 47.61,6.61 47.57,6.51 47.46,6.46 47.11,6.46 47,6.51 46.96,6.61
DCDC_3V3 on BOTTOM: 48.5,37.07 49.16,37.07 49.16,34.03 49.14,34.03 49.14,33.42 49.14,33.39 49.13,33.37 48.19,33.37 48.19,33.32 47.61,33.32 47.54,33.29 47.51,33.22 47.51,29.78 47.15,29.78 47.15,33.54 47.18,33.61 47.25,33.64 48.58,33.64 48.62,33.65 48.65,33.67 48.75,33.77 48.77,33.8 48.78,33.84 48.78,35.66 48.5,35.66
DCDC_3V3 on BOTTOM: 46,16.9 46.06,17.04 46.2,17.1 49.58,17.1 49.65,17.07 49.68,17 49.68,16.56 49.65,16.49 49.58,16.46 46.2,16.46 46.06,16.52 46,16.66
DCDC_3V3 on BOTTOM: 1.68,24.7 1.57,24.66 1.53,24.55 1.53,23.85 1.57,23.75 1.68,23.7 1.81,23.7 1.91,23.75 1.95,23.85 1.95,24.55 1.91,24.66 1.81,24.7
DCDC_3V3 on POWER: outline of 98 points within 1.21,2.86 47.17,39.08 ; 1 cut-out
DCDC_OUT on TOP: 16.63,12.24 19.02,12.24 19.02,12.24 20.91,12.24 20.94,12.21 20.94,11.22 22.43,11.22 22.43,10.19 16.64,10.19 16.64,11.63 16.63,11.63
FLASH_VCC on POWER: 45.48,10.6 45.55,10.64 45.62,10.66 46.15,10.66 46.33,10.53 46.29,10.32 45.77,9.8 45.77,9.8 42.83,6.85 42.75,6.8 42.65,6.78 40.19,6.78 39.83,7.13 35.19,7.13 35.16,7.11 26.8,7.11 26.66,7.09 26.55,7.01 26.44,6.9 26.36,6.78 26.33,6.64 26.33,4.09 26.29,3.98 26.18,3.94 22.9,3.94 22.79,3.98 22.75,4.09 22.75,5.34 22.76,5.38 22.77,5.42 22.77,5.51 24.94,7.68 25.73,7.68 25.8,7.69 34.78,7.69 34.78,8.2 34.78,8.2 34.78,8.8 34.79,8.84 34.81,8.88 34.99,9.06 35.02,9.08 35.06,9.09 35.14,9.09 35.18,9.08 35.21,9.06 35.39,8.88 35.41,8.85 35.42,8.81 35.42,7.69 42.46,7.69 42.56,7.7 42.64,7.76
MCU_DCDC_IN_3V3 on TOP: 26.74,18.37 26.8,18.41 26.88,18.43 27.04,18.43 27.12,18.4 27.15,18.32 27.15,18.26 27.14,18.17 27.08,18.09 26.81,17.82 26.66,17.72 26.47,17.68 25.99,17.68 25.9,17.66 25.82,17.61 25.68,17.47 25.63,17.39 25.61,17.3 25.61,17.28 25.58,17.21 25.51,17.18 23.6,17.18 23.42,17.14 23.26,17.04 22.9,16.68 22.9,16.67 22.39,16.17 22.23,16.06 22.05,16.03 17.02,16.03 17,16.06 17,16.72 17,16.72 21.68,16.72 21.82,16.78 21.88,16.92 21.88,17.62 24.71,17.62 24.9,17.66 25.05,17.76 25.14,17.84 25.21,17.9 25.31,17.91 26.08,17.91 26.27,17.95 26.42,18.06
MCU_DCDC_IN_3V3 on BOTTOM: 18.71,16.36 18.77,16.5 18.91,16.56 20.06,16.56 20.06,16.5 20.1,16.45 20.11,16.39 20.1,16.33 20.06,16.27 20.06,15.69 20.06,15.69 20.06,14.98 20,14.84 19.86,14.78 17.95,14.78 17.81,14.72 17.75,14.58 17.75,13.12 17.25,13.12 17.25,14.58 17.19,14.72 17.05,14.78 16.57,14.78 16.57,15.69 17.25,15.69 17.25,15.7 17.75,15.7 17.75,15.69 18.51,15.69 18.65,15.75 18.71,15.89
MCU_DCDC_IN_3V3 on SIG1: 21.67,17.99 21.83,18.1 22.01,18.14 22.36,18.14 22.5,18.08 22.56,17.94 22.56,17.75 22.53,17.61 22.45,17.49 21.12,16.16 21,16.08 20.86,16.06 18.57,16.06 18.47,16.1 18.42,16.2 18.42,16.59 18.47,16.69 18.57,16.74 20.26,16.74 20.4,16.76 20.52,16.84
MCU_DCDC_IN_3V3 on POWER: 22.48,18.19 23.12,17.56 23.12,14.79 23.11,14.79 23.11,13.81 23.13,13.72 23.18,13.64 23.25,13.57 23.3,13.49 23.32,13.4 23.32,13.11 23.29,13.04 23.22,13.01 22.04,13.01 21.95,13.03 21.87,13.08 21.57,13.38 21.51,13.48 21.49,13.59 21.49,17.59 21.5,17.65 21.53,17.7 22.03,18.19
MCU_DCDC_IN_3V3 on POWER: 18.7,16.71 18.59,16.67 18.55,16.56 18.55,16.24 18.59,16.13 18.7,16.09 20.09,16.09 20.2,16.13 20.24,16.24 20.24,16.56 20.2,16.67 20.09,16.71
NVCC_GPIO_3V3 on BOTTOM: 31.19,21.62 31.19,23.14 31.85,23.14 31.85,21.62
NVCC_GPIO_3V3 on POWER: 29.51,27.81 29.57,27.96 29.71,28.01 31.4,28.01 31.54,27.96 31.6,27.81 31.6,26.16 31.65,26.01 31.8,25.96 32.5,25.96 32.61,25.91 32.65,25.81 32.65,21.23 32.61,21.19 32.53,21.07 32.5,20.93 32.5,18.65 32.45,18.51 32.31,18.45 31.65,18.45 31.65,21.19 31.62,21.37 31.51,21.53 31.48,21.56 31.32,21.67 31.14,21.7 30.67,21.7 30.48,21.74 30.32,21.85 30.22,21.95 30.12,22.1 30.08,22.29 30.08,22.79 30.02,22.93 29.88,22.99 29.71,22.99 29.57,23.05 29.51,23.19
NVCC_SD0 on BOTTOM: 27.14,19.35 27.76,19.35 27.76,18.8 27.66,18.7 27.45,18.7 27.29,18.54 27.29,17.85 26.64,17.85 26.64,18.51 26.96,18.51 27.12,18.67 27.12,19.32
NVCC_SD0 on BOTTOM: 5.33,16.88 6.01,16.88 6.01,15.24 6,15.24 6,14.58 5.34,14.58 5.34,15.24 5.33,15.24
SDRAM_3V3 on BOTTOM: 2.4,27.99 3.09,27.99 3.09,27.69 3.1,27.69 3.12,27.71 3.14,27.73 3.17,27.73 3.21,27.71 3.23,27.67 3.23,27.64 3.21,27.62 3.15,27.57 3.09,27.57 3.09,25.47 2.4,25.47 2.4,27.6
SDRAM_3V3 on POWER: 2.68,35.2 2.74,35.34 2.88,35.4 11.89,35.4 12.03,35.34 12.09,35.2 12.09,26.4 12.03,26.26 11.89,26.2 2.88,26.2 2.74,26.26 2.68,26.4
VLDO_3V3 on TOP: 43.02,5.54 43.7,5.54 43.7,3.84 42.21,3.84 42.21,3.85 41.68,3.85 41.5,3.81 41.34,3.71 41.25,3.62 41.17,3.49 41.14,3.33 41.14,2.72 41.22,2.5 41.44,2.42 41.68,2.42 41.68,1.61 40.97,1.61 40.76,1.7 40.67,1.91 40.67,3.42 40.7,3.58 40.79,3.71 41.33,4.24 41.36,4.27 41.39,4.3 41.39,4.61 41.39,4.61 41.39,5.19 43.02,5.19
VLDO_3V3 on BOTTOM: 40.98,4.41 40.87,4.37 40.83,4.26 40.83,3.86 40.87,3.76 40.98,3.71 42.67,3.71 42.78,3.76 42.82,3.86 42.82,4.26 42.78,4.37 42.67,4.41
N2544181 on TOP: 43.44,13.95 43.92,13.95 43.92,13.81 44.24,13.49 44.31,13.45 44.39,13.43 47.45,13.43 47.45,13.05 47.35,13.05 47.33,13.05 44.43,13.05 44.36,13.03 44.29,12.99 44.13,12.83 44.09,12.76 44.07,12.69 44.07,11.93 43.46,11.93 43.44,11.96
N2544599 on TOP: 48.77,18.55 48.84,18.6 48.92,18.61 50.34,18.61 50.55,18.52 50.64,18.31 50.64,10.61 46.63,10.61 46.63,12.03 48.93,12.03 49,12.05 49.07,12.09 49.41,12.43 49.45,12.5 49.47,12.57 49.47,16.98 49.45,17.06 49.41,17.12 49.25,17.28 49.18,17.33 49.11,17.34 46.6,17.34 46.6,17.36 45.95,17.36 45.87,17.38 45.81,17.42 45.7,17.52 44.89,17.52 44.88,17.52 44.88,18.12 45.92,18.12 46.09,17.96 46.15,17.91 46.23,17.9 46.6,17.9 46.6,17.9 48.04,17.9 48.12,17.92 48.18,17.96
N2575129 on TOP: 23.49,16.78 23.65,16.88 23.83,16.92 25.31,16.92 25.39,16.9 25.45,16.86 25.48,16.84 25.52,16.77 25.53,16.69 25.53,16.56 25.45,16.48 25.39,16.44 25.31,16.42 24.42,16.42 24.11,16.36 23.85,16.18 22.64,14.98 22.49,14.88 22.3,14.84 21.7,14.84 21.66,14.84 21.09,14.84 20.99,14.79 20.94,14.69 20.94,14.28 20.66,14 16.64,14 16.64,15.01 16.68,15.2 16.78,15.35 16.81,15.38 16.97,15.49 17.15,15.52 22.04,15.52 22.22,15.56 22.38,15.66
N2575237 on TOP: 21.39,14.52 21.39,13.87 22.97,13.87 22.97,14.52
N2593436 on TOP: 23.37,7.38 24.86,7.38 24.86,6.86 24.54,6.86 24.54,5.95 25.03,5.95 25.03,5.31 23.33,5.31 23.33,5.95 23.98,5.95 23.98,6.86 23.37,6.86
N2841268 on BOTTOM: 5.33,5.52 7.62,5.52 7.62,5.35 8.69,5.35 8.69,5.15 9.46,5.15 9.46,5.1 9.47,5.1 9.47,4.78 8.97,4.78 8.97,4.78 8.69,4.78 8.69,4.7 8.31,4.7 8.31,3.18 7.61,3.18 7.61,4.53 5.33,4.53
N2841570 on BOTTOM: 8.96,9 9.44,9 9.44,9 10.72,9 10.72,8.35 9.44,8.35 9.44,7.55 8.96,7.55
N2841972 on BOTTOM: 3.63,4.58 4.06,4.58 4.06,3.48 4.07,3.48 4.07,3.19 2.76,3.19 2.76,3.48 3.63,3.48
N2842142 on BOTTOM: 4.5,4.58 4.87,4.58 4.87,3.56 5.62,3.56 5.62,3.25 4.87,3.25 4.87,3.18 4.5,3.18 4.5,3.25 4.37,3.25 4.37,3.56 4.5,3.56
N2842346 on TOP: 17.19,7.16 17.86,7.16 17.86,6.31 17.86,6.31 17.86,4.33 17.94,4.26 17.94,3.97 16.68,3.97 16.55,3.84 16.55,3.56 16.54,3.49 16.49,3.42 15.9,2.82 15.85,2.76 15.84,2.68 15.84,2.13 15.74,2.03 15.66,2.03 15.59,2.1 15.56,2.09 15.51,2.11 15.49,2.16 15.49,2.2 15.43,2.26 15.43,2.81 15.44,2.89 15.48,2.95 16.02,3.48 16.06,3.55 16.07,3.62 16.07,4.19 16.41,4.53 16.72,4.53 16.86,4.59 16.92,4.73 16.92,6.31 17.19,6.31
N2842520 on TOP: 19.48,2.53 22.54,2.53 22.54,2.12 20.89,2.12 20.89,2.11 20.74,2.11 20.74,2.12 20.01,2.12 20.01,2.11 19.86,2.11 19.86,2.12 19.48,2.12
N2842860 on BOTTOM: 7.55,15.66 7.55,13.43 8.19,13.43 8.19,15.66
N2842860 on BOTTOM: 9.43,15.9 9.43,16.55 11.13,16.55 11.13,15.9
N2843292 on TOP: 37.26,8.01 37.92,8.01 37.92,5.81 37.88,5.81 37.55,5.48 37.55,4.64 37.54,4.64 37.54,2.66 36.89,2.66 36.89,5.31 36.9,5.31 36.9,6.67 37.01,6.78 37.26,6.78
N2843292 on TOP: 39.53,4.8 39.39,4.86 39.33,5 39.33,5.28 39.39,5.42 39.53,5.48 40.1,5.48 40.24,5.42 40.3,5.28 40.3,5 40.24,4.86 40.1,4.8
N2843470 on TOP: 41.96,3.41 43.66,3.41 43.66,2.77 42.54,2.77 42.54,1.71 41.96,1.71 41.96,2.16 41.96,2.16 41.96,2.49 41.86,2.59 41.86,3.09 41.88,3.15 41.94,3.17 41.96,3.17
5V_SYS on TOP: 46.89,38.21 46.97,38.26 47.06,38.28 48.27,38.28 48.34,38.25 48.37,38.18 48.37,35.32 48.36,35.23 48.3,35.15 48.16,35.01 48.09,34.96 47.99,34.94 46.22,34.94 46.15,34.97 46.12,35.04 46.12,35.69 46.15,35.77 46.22,35.79 46.69,35.79 46.78,35.81 46.86,35.87 47.07,36.07 47.12,36.15 47.14,36.24 47.14,37.39 47.11,37.46 47.04,37.49 46.13,37.49 46.12,37.5 46.12,37.84 46.12,37.84 46.52,37.84
5V_SYS on POWER: 46.18,38.15 46.24,38.3 46.38,38.35 51.21,38.35 51.36,38.3 51.41,38.15 51.41,1.44 51.19,0.9 50.66,0.69 5.31,0.69 5.13,0.72 4.97,0.83 4.07,1.73 3.97,1.88 3.93,2.07 3.93,9.39 3.99,9.53 4.13,9.59 4.21,9.59 4.4,9.55 4.55,9.45 6.15,7.85 6.15,3.81 6.19,3.63 6.29,3.47 7.01,2.76 7.17,2.65 7.35,2.61 11.4,2.61 11.58,2.65 11.74,2.76 12.6,3.62 12.76,3.72 12.94,3.76 24.22,3.76 24.25,3.78 24.29,3.79 44.84,3.79 45.04,3.83 45.2,3.93 49.2,7.93 49.24,8 49.26,8.07 49.3,34.1 49.24,34.24 49.1,34.3 46.38,34.3 46.24,34.36 46.18,34.5
5V_USB_OTG on SIG1: 31.96,11.76 32.01,11.86 32.11,11.91 32.27,11.91 32.27,11.91 32.76,11.91 32.9,11.88 33.02,11.8 33.84,10.98 33.95,10.91 34.09,10.88 34.67,10.88 34.77,10.83 34.82,10.73 34.82,10.7 34.77,10.59 34.67,10.55 33.75,10.55 33.61,10.57 33.49,10.65 33.17,10.98 33.17,10.98 32.63,11.51 32.11,11.51 32.01,11.56 31.96,11.66
5V_USB_OTG on POWER: 42.9,13.03 42.93,13.06 42.97,13.06 43.37,13.06 43.44,13.03 43.47,12.96 43.47,12.81 43.46,12.78 43.44,12.74 43.19,12.5 43.04,12.39 42.85,12.36 35.67,12.36 35.49,12.32 35.33,12.21 35.17,12.06 35.07,11.9 35.03,11.72 35.03,10.73 34.97,10.59 34.83,10.53 34.71,10.53 34.57,10.59 34.51,10.73 34.51,12.44 34.67,12.6 34.83,12.71 35.02,12.75 42.41,12.75 42.59,12.78 42.75,12.89
GND_SIGNAL on TOP: 41.11,38.37 41.04,38.21 40.87,38.14 40.46,38.14 40.32,38.39 40.24,38.67 40.24,38.79 40.3,39.15 40.47,39.47 40.89,39.47 41.05,39.4 41.12,39.23 41.12,38.97 41.32,38.97 41.37,38.96 41.42,38.94 41.48,38.88 41.5,38.8 41.5,38.78 41.49,38.75 41.43,38.68 41.34,38.65 41.11,38.65
GND_SIGNAL on TOP: 39.62,37.99 40.02,37.99 40.09,37.96 40.12,37.89 40.12,37.77 40.13,37.73 40.15,37.7 40.29,37.56 40.35,37.52 40.43,37.5 40.46,37.5 40.6,37.44 40.66,37.3 40.66,37.3 40.6,37.15 40.46,37.1 40.12,37.1 40.12,36.92 39.89,36.92 39.86,36.92 39.62,36.92
GND_SIGNAL on TOP: 29.99,20.81 30.03,20.83 30.08,20.84 30.16,20.84 30.26,20.79 30.31,20.69 30.31,19.98 30.33,19.94 30.33,19.9 30.33,19.18 30.35,19.1 30.39,19.04 31.04,18.39 31.12,18.34 31.15,18.25 31.15,17.4 31.1,17.3 31,17.25 30.99,17.25 30.97,17.23 30.88,17.23 30.84,17.28 30.81,17.3 30.79,17.33 30.53,17.59 30.48,17.65 30.47,17.73 30.47,18.34 30.45,18.42 30.41,18.48 30.09,18.8 30.03,18.84 29.95,18.85 29.32,18.85 29.21,18.9 29.17,19 29.17,20.66 29.21,20.77 29.32,20.81
GND_SIGNAL on BOTTOM: 45.05,21.26 45.54,21.26 45.54,20.85 45.56,20.78 45.54,20.7 45.54,19.38 45.05,19.38 45.05,19.46 45.01,19.51 45,19.57 45.01,19.62 45.05,19.68
GND_SIGNAL on BOTTOM: 34.62,37.86 34.59,37.93 34.62,38 34.75,38.12 34.82,38.15 34.89,38.12 35.97,37.04 35.99,37 36,36.97 36,35.6 35.52,35.6 35.52,36.92 35.51,36.96 35.49,36.99
GND_SIGNAL on BOTTOM: 21.03,5.72 21.09,5.86 21.23,5.92 21.86,5.92 22,5.86 22.06,5.72 22.06,3.39 21.03,3.39
GND_SIGNAL on GND2: 1.85,40.44 1.9,40.45 1.95,40.45 51.33,40.45 51.86,40.23 52.08,39.7 52.08,38.52 52.08,38.48 52.08,0.78 51.92,0.32 51.52,0.05 0.87,0.05 0.82,0.06 0.77,0.06 0.62,0.08 0.48,0.14 0.43,0.16 0.38,0.19 0.27,0.28 0.18,0.4 0.13,0.49 0.09,0.59 0.07,0.67 0.06,0.75 0.06,1.86 0.06,1.92 0.05,1.99 0.05,39.7 0.05,39.74 0.06,39.79 0.09,39.94 0.16,40.08 0.43,40.35 0.8,40.44
VDD_HIGH_IN_3V3 on TOP: 33.16,15.07 33.2,15.18 33.31,15.22 33.38,15.22 33.45,15.21 33.52,15.17 33.53,15.12 33.53,15.07 33.53,14.23 33.53,14.23 33.73,14.03 33.73,13.88 33.73,13.88 33.73,13.3 33.35,13.3 33.35,13.88 33.35,13.88 33.16,14.07 33.16,14.23 33.16,14.23
VDD_SOC_IN on SIG1: 28.54,21.4 28.57,21.47 28.64,21.5 30.42,21.5 30.52,21.48 30.59,21.43 31.1,20.93 31.26,20.82 31.44,20.78 31.78,20.78 31.92,20.72 31.98,20.58 31.98,18.48 31.96,18.41 31.93,18.35 31.93,18.26 31.9,18.19 31.83,18.16 28.55,18.16 28.55,20.66 28.55,21.23 28.54,21.29
DC_5V_IN on TOP: 42.44,39.16 42.6,39.47 43.14,39.47 43.24,39.38 43.27,39.26 43.27,38.98 43.5,38.98 43.61,38.94 43.65,38.83 43.65,38.81 43.64,38.78 43.59,38.71 43.5,38.68 43.27,38.68 43.27,38.4 43.24,38.29 43.15,38.2 42.59,38.2 42.47,38.44 42.4,38.69 42.39,38.81
DC_5V_IN on BOTTOM: 27.39,7.6 27.63,7.6 27.63,6.12 27.64,6.06 27.68,6.01 27.88,5.81 27.92,5.78 27.98,5.76 30.13,5.76 30.19,5.78 30.24,5.81 30.34,5.9 30.37,5.95 30.38,6.01 30.38,7.5 30.38,7.5 30.62,7.5 30.62,5.61 30.61,5.55 30.58,5.5 30.56,5.48 30.51,5.45 30.45,5.44 27.73,5.44 27.67,5.45 27.63,5.48 27.43,5.68 27.4,5.73 27.39,5.78 27.39,7.59
DCDC_3V3 on BOTTOM: 16.64,13.13 16.7,13.27 16.84,13.33 16.98,13.33 17.05,13.3 17.08,13.23 17.08,13.03 17.14,12.89 17.28,12.83 17.77,12.83 17.77,12.39 17.75,12.31 17.71,12.25 17.61,12.14 17.56,12.08 17.55,12 17.55,9.4 17.53,9.32 17.49,9.26 17.48,9.25 17.44,9.18 17.42,9.11 17.42,8.04 17.36,7.9 17.22,7.84 16.84,7.84 16.7,7.9 16.64,8.04 16.64,12.41 16.64,12.43
DCDC_OUT on BOTTOM: 19.43,12.66 20.95,12.66 20.95,11.42 21.01,11.28 21.15,11.22 22.22,11.22 22.36,11.16 22.42,11.02 22.42,10.39 22.36,10.25 22.22,10.19 19.63,10.19 19.49,10.25 19.43,10.39
DCDC_OUT on POWER: 20.48,16.2 20.58,16.27 20.69,16.29 21,16.29 21.15,16.23 21.2,16.09 21.2,13.54 21.15,13.49 21.15,11.42 21.21,11.28 21.35,11.22 21.44,11.22 21.51,11.19 21.54,11.12 21.54,10.47 21.45,10.26 21.24,10.17 18.21,10.17 18.07,10.23 18.01,10.37 18.01,12.06 18.07,12.2 18.21,12.26 19.17,12.26 19.36,12.3 19.51,12.4 19.74,12.63 19.84,12.78 19.88,12.97 19.88,15.4 19.92,15.59 20.02,15.74
FLASH_VCC on BOTTOM: 42.94,13.58 43,13.72 43.14,13.78 43.66,13.78 43.74,13.77 43.8,13.72 44.47,13.05 44.52,12.98 44.53,12.91 44.53,12.67 45.94,11.26 45.98,11.2 46,11.12 46,10.07 45.98,10 45.94,9.93 45.9,9.9 45.87,9.88 45.83,9.87 45.52,9.87 45.48,9.88 45.45,9.9 45.42,9.93 45.37,9.99 45.36,10.07 45.36,10.85 45.34,10.92 45.3,10.99 43.72,12.57 43.7,12.6 43.69,12.64 43.69,12.74 43.68,12.78 43.66,12.81 43.39,13.08 43.36,13.1 43.32,13.11 43.14,13.11 43,13.17 42.94,13.31
FLASH_VCC on POWER: 38.47,19.41 38.55,19.59 38.72,19.66 40.9,19.66 41,19.64 41.08,19.59 41.45,19.22 41.51,19.14 41.53,19.04 41.53,15.92 41.55,15.83 41.6,15.74 43.41,13.94 43.46,13.86 43.48,13.76 43.48,13.39 43.11,13.39 43.01,13.37 42.93,13.32 42.62,13 42.53,12.95 42.44,12.93 41.02,12.93 40.84,13 40.77,13.18 40.77,17.79 40.7,17.96 40.52,18.04 38.72,18.04 38.55,18.11 38.47,18.29
LDO_1V8 on TOP: 19.82,5.69 19.87,5.79 19.97,5.84 20.15,5.84 20.26,5.79 20.31,5.69 20.31,4.46 20.35,4.36 20.45,4.31 20.55,4.31 20.66,4.27 20.7,4.16 20.7,3.98 19.5,3.98 19.5,4.37 19.54,4.48 19.65,4.52 19.67,4.52 19.78,4.57 19.82,4.67
NVCC_SD0 on POWER: 8.67,21.93 8.98,22.13 9.34,22.21 25.94,22.21 26.12,22.17 26.28,22.06 27.44,20.91 27.54,20.75 27.58,20.56 27.58,19.48 27.56,19.39 27.51,19.31 27.49,19.29 27.41,19.24 27.32,19.22 27.16,19.22 27.09,19.25 27.06,19.32 27.06,19.44 27,19.59 26.86,19.64 14.84,19.64 14.84,19.64 13.68,19.64 13.5,19.6 13.34,19.5 9.63,15.78 9.47,15.68 9.29,15.64 5.51,15.64 5.15,15.79 5.01,16.14 5.01,18.06 5.05,18.25 5.15,18.41
NVCC_SD1 on POWER: 36.6,18.1 36.69,18.16 36.78,18.18 37.39,18.18 37.5,18.13 37.54,18.03 37.54,17.98 37.53,17.93 37.5,17.88 37.41,17.78 37.29,17.71 37.15,17.68 37.1,17.68 36.96,17.65 36.84,17.57 35.87,16.6 35.75,16.52 35.61,16.49 28.59,16.49 28.46,16.52 28.34,16.6 28.02,16.92 28.02,17.08 28.06,17.18 28.17,17.23 29.34,17.23 29.68,16.88 35.18,16.88 35.37,16.92 35.52,17.02

Small or netless copper shapes (teardrops, artwork), in the pictures only: 10 on TOP, 24 on BOTTOM

## Text on the board
Ref Des/Assembly Top: 3V3 | USER LED | +5V PWR | OVR_VLT
